# KiCad board Engine.kicad_pcb (continued)
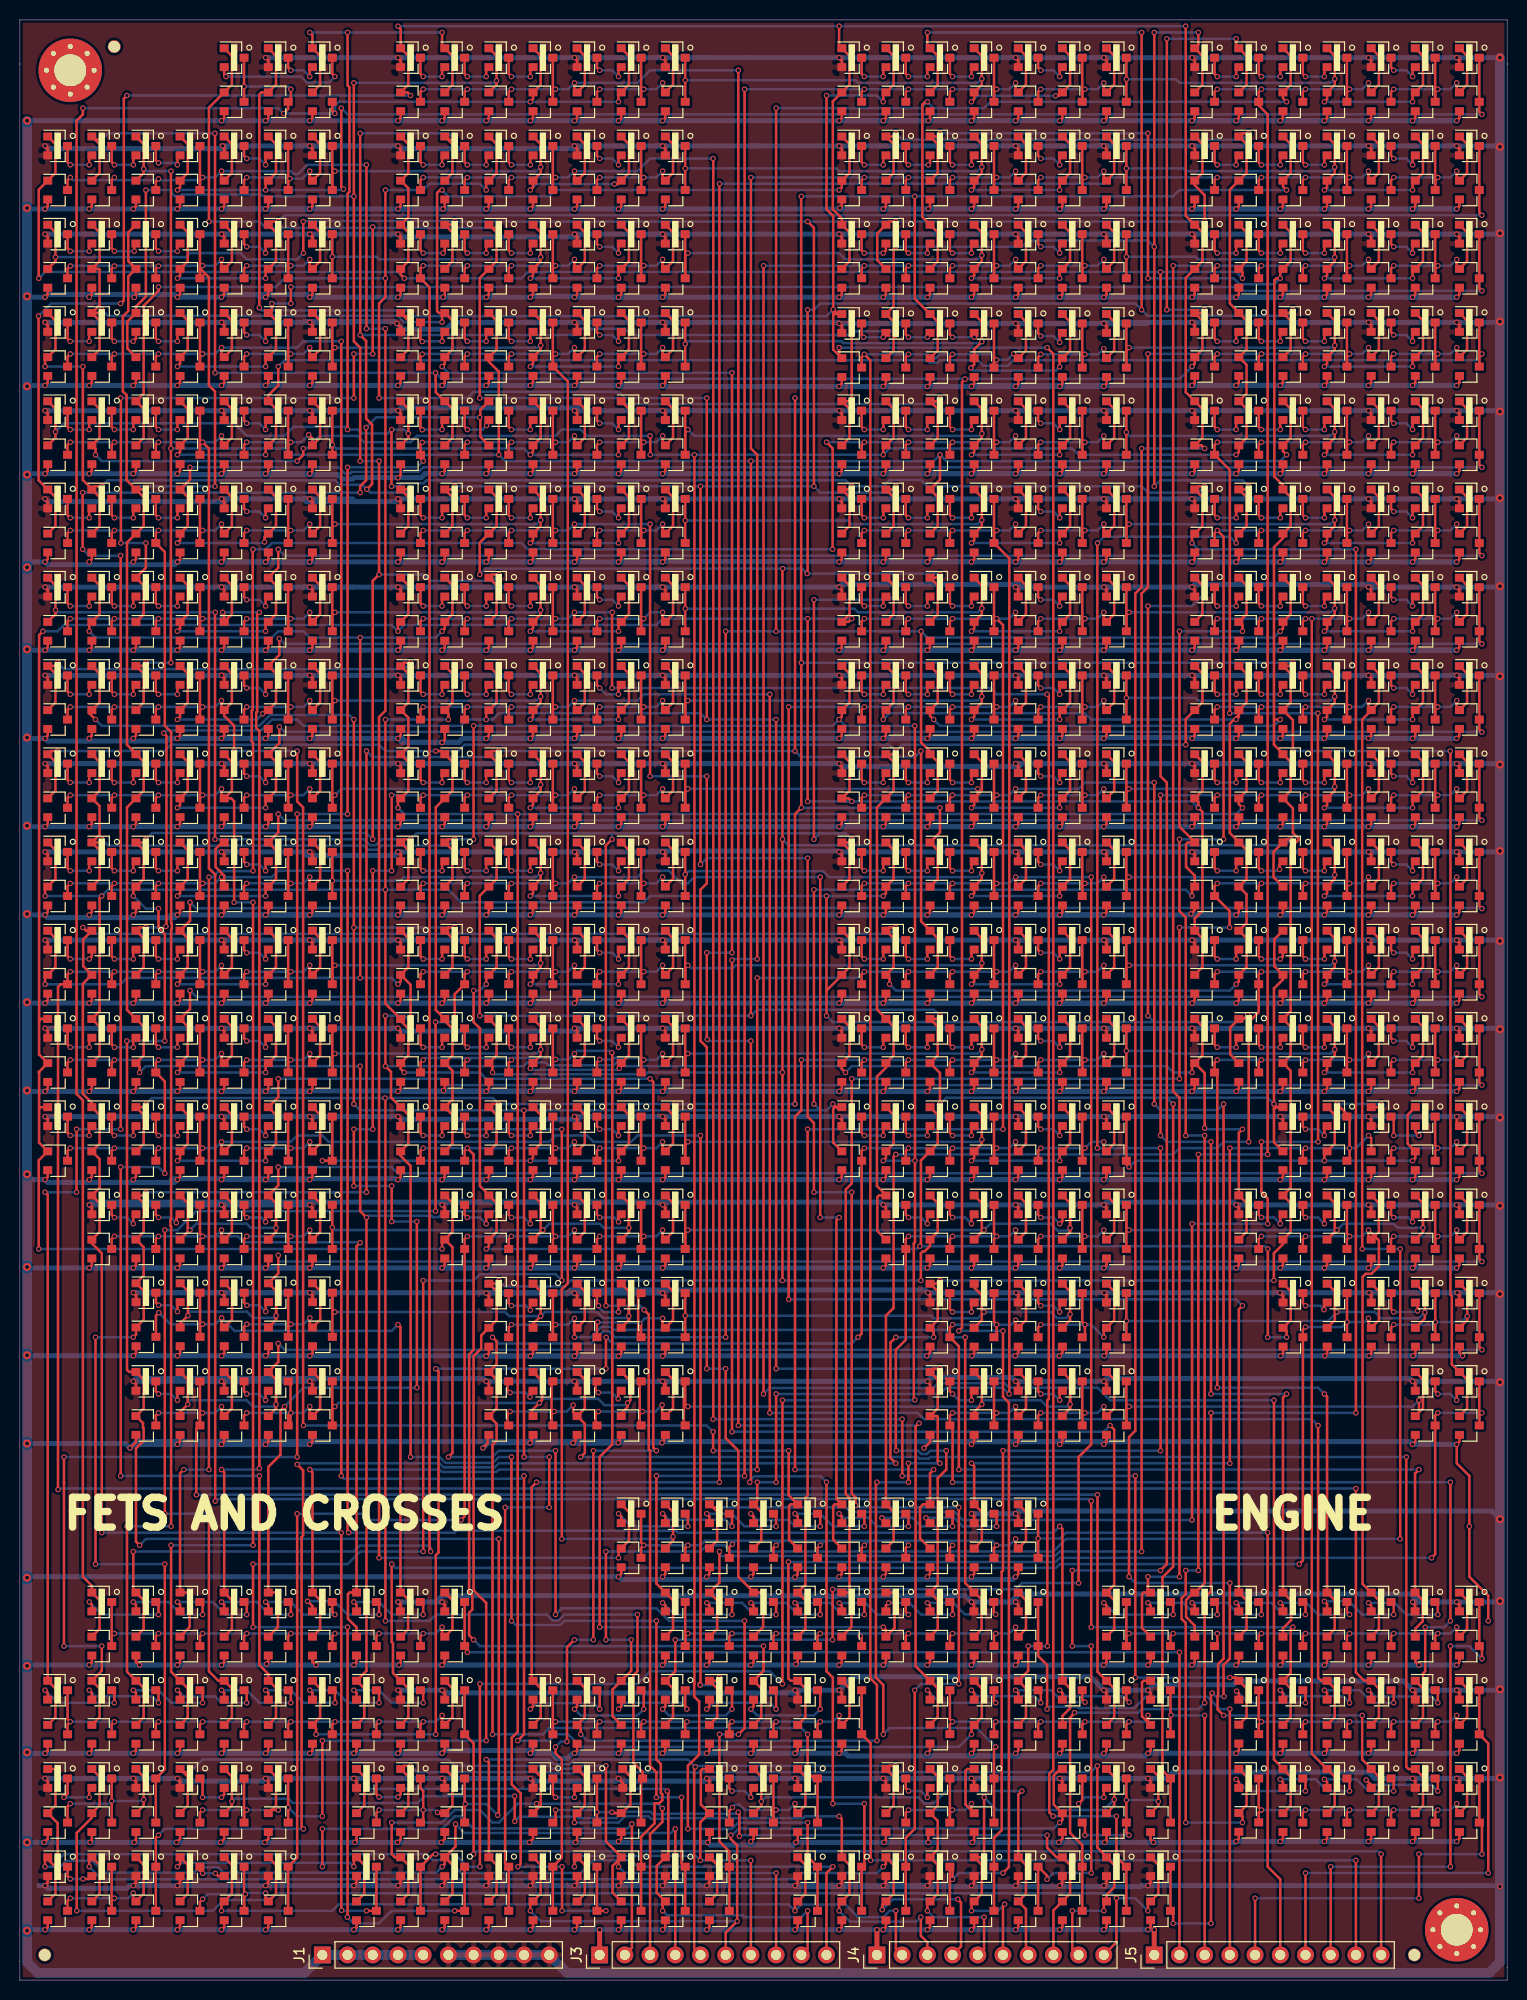
[diagram p0: board, top side]
## Routing (per net, layer and track width the routed paths; a pad name or vN(x,y) marks a point on that pad's centre or on a via; arc(x,y) is an arc through that point) (continued)
  Bottom w0.25: v1(5.08,146.05) v1(18.41,146.05) 19.68,146.05 v1(20.32,146.69) ; v1(15.24,45.72) v1(10.79,45.72)
/M8_E: length 137
  Top w0.25: 16.15,25.72 16.92,26.49 16.92,29.38 Q209.1 15.24,31.06 v1(15.24,43.81) ; Q738.3 Q740.3 18.14,119.11 v1(18.41,119.38) ; Q733.3 4.81,119.11 v1(5.08,119.38) ; Q734.3 9.26,119.11 v1(9.53,119.38) ; Q739.3 13.7,119.11 v1(13.97,119.38) ; Q743.1 20.32,119.33 v1(20.32,120.01) ; Q743.1 21.37,119.84 21.37,122.73 Q744.1 ; Q743.1 21.29,119.06 21.59,118.76 v1(21.59,108.58) ; v1(23.49,108.58) v1(23.49,43.81)
  Bottom w0.25: v1(5.08,119.38) v1(18.41,119.38) 19.68,119.38 v1(20.32,120.01) ; v1(21.59,108.58) v1(23.49,108.58) ; v1(23.49,43.81) v1(15.24,43.81)
/M8_F: length 140.8
  Top w0.25: 20.59,25.72 21.37,26.49 21.37,29.38 Q208.1 20,30.16 19.05,31.11 v1(19.05,46.99) ; Q570.3 Q572.3 53.7,101.33 v1(53.98,101.6) ; Q565.3 40.37,101.33 v1(40.64,101.6) ; v1(45.09,101.6) 44.81,101.33 Q566.3 43.81,99.33 v1(43.81,96.52) ; Q571.3 49.26,101.33 v1(49.53,101.6) ; v1(55.88,102.23) 55.88,101.55 Q575.1 56.93,102.06 56.93,104.95 Q576.1 ; v1(41.89,96.52) v1(41.89,77.47) ; v1(14.6,75.56) v1(14.6,46.99)
  Bottom w0.25: v1(40.64,101.6) v1(53.98,101.6) 55.24,101.6 v1(55.88,102.23) ; v1(41.89,96.52) v1(43.81,96.52) ; v1(14.6,75.56) 15.87,75.56 17.78,77.47 v1(41.89,77.47) ; v1(19.05,46.99) v1(14.6,46.99)
/M8_G: length 118.1
  Top w0.25: 25.03,25.72 25.81,26.49 25.81,29.43 25.09,30.16 Q207.1 25.03,30.84 24.13,31.75 v1(24.13,50.8) ; Q444.3 Q446.3 18.14,92.44 v1(18.41,92.71) ; Q439.3 4.81,92.44 v1(5.08,92.71) ; Q440.3 9.26,92.44 v1(9.53,92.71) ; v1(13.97,92.71) 13.7,92.44 Q445.3 14.6,90.53 v1(14.6,81.28) ; v1(20.32,93.34) 20.32,92.66 Q449.1 21.37,93.17 21.37,96.06 Q450.1 ; v1(10.16,50.8) v1(10.16,81.91)
  Bottom w0.25: v1(5.08,92.71) v1(18.41,92.71) 19.68,92.71 v1(20.32,93.34) ; v1(14.6,81.28) 13.97,81.91 v1(10.16,81.91) ; v1(24.13,50.8) v1(10.16,50.8)
/M8_I: length 151.1
  Top w0.25: Q203.1 30.26,29.38 30.26,26.49 29.48,25.72 29.84,25.35 v1(29.84,24.76) ; Q392.3 Q394.3 98.16,83.55 v1(98.43,83.82) ; v1(85.09,83.82) 84.82,83.55 Q387.3 84.82,65.13 v1(84.45,64.77) ; Q388.3 89.27,83.55 v1(89.54,83.82) ; Q393.3 93.71,83.55 v1(93.98,83.82) ; v1(100.33,84.45) 100.33,83.77 Q397.1 101.38,84.28 101.38,87.17 Q398.1 ; v1(41.91,61.59) 42.18,61.32 42.18,43.09 41.91,42.81 v1(41.91,24.76) ; v1(59.08,64.76) 59.05,64.74 v1(59.05,61.59)
  Bottom w0.25: v1(85.09,83.82) v1(98.43,83.82) 99.7,83.82 v1(100.33,84.45) ; v1(59.05,61.59) v1(41.91,61.59) ; v1(41.91,24.76) v1(29.84,24.76) ; v1(59.08,64.76) 59.7,64.13 83.82,64.13 v1(84.45,64.77)
/M8_K: length 83.3
  Top w0.25: Q264.1 56.93,78.28 56.93,75.39 Q263.1 55.88,74.88 v1(55.88,75.56) ; 33.92,25.72 34.7,26.49 34.7,29.38 Q202.1 34.92,31.16 v1(34.92,46.35) ; v1(49.53,74.93) 49.26,74.66 Q268.3 ; v1(45.09,74.93) 44.81,74.66 Q267.3 44.81,46.72 v1(44.45,46.35) ; Q271.3 53.7,75.2 v1(53.98,74.93) 53.7,74.66 Q272.3
  Bottom w0.25: v1(44.45,46.35) v1(34.92,46.35) ; v1(45.09,74.93) v1(53.98,74.93) 55.24,74.93 v1(55.88,75.56)
/M8_L: length 150.4
  Top w0.25: 38.37,25.72 39.15,26.49 39.15,29.38 Q201.1 37.59,30.94 37.59,33.94 37.46,34.07 v1(37.46,41.91) ; Q318.1 136.95,69.39 136.95,66.5 Q317.1 135.89,66 v1(135.89,66.67) ; Q324.3 v1(133.73,66.3) Q323.3 ; v1(129.54,65.8) 129.28,65.54 Q321.3 129.28,42.29 v1(128.91,41.91)
  Bottom w0.25: v1(135.89,66.67) 135.51,66.3 v1(133.73,66.3) 133.23,65.8 v1(129.54,65.8) ; v1(37.46,41.91) 37.85,41.53 104.4,41.53 104.78,41.91 v1(128.91,41.91)
/sheet60D7BB73/sheet60D63D17/A: length 37
  Top w0.25: Q194.3 93.71,26.3 v1(93.98,26.03) 93.71,25.76 Q196.3 ; Q190.3 111.49,25.76 v1(111.76,26.03) ; Q187.3 102.6,25.76 v1(102.87,26.03) ; Q195.3 107.05,25.76 v1(107.32,26.03) ; v1(113.67,26.67) 113.67,25.98 113.94,25.72 113.06,26.59 113.06,29.99 113.23,30.16 Q197.1 ; Q191.3 98.16,25.86 v1(98.33,26.03)
  Bottom w0.25: v1(93.98,26.03) v1(102.87,26.03) v1(111.76,26.03) 113.42,26.03 113.67,26.28 v1(113.67,26.67)
/Sheet60D62401/sheet60D63D17/A: length 54.9
  Top w0.25: Q235.1 43.59,38.27 43.59,35.38 Q236.1 42.54,34.88 v1(42.54,35.56) ; v1(9.53,34.92) 9.26,34.66 Q234.3 Q231.3 ; v1(13.97,34.92) 13.7,34.66 Q228.3 ; v1(18.41,34.92) 18.14,34.66 Q222.3 ; v1(22.86,34.92) 22.59,34.66 Q233.3 ; v1(27.3,34.92) 27.03,34.66 Q227.3 ; v1(31.75,34.92) 31.48,34.66 Q221.3 ; v1(36.2,34.92) 35.92,34.66 Q232.3 ; v1(40.64,34.92) 40.37,34.66 Q226.3
  Bottom w0.25: v1(9.53,34.92) v1(40.64,34.92) 41.91,34.92 v1(42.54,35.56)
/sheet60D69699/sheet60D63D17/A: length 59.6
  Top w0.25: Q199.1 43.59,29.38 43.59,26.49 42.81,25.72 42.54,25.98 v1(42.54,26.67) ; Q218.3 4.81,25.76 v1(5.08,26.03) 4.81,26.3 Q215.3 ; v1(9.53,26.03) 9.26,25.76 Q212.3 ; v1(13.97,26.03) 13.7,25.76 Q206.3 ; v1(18.41,26.03) 18.14,25.76 Q217.3 ; v1(22.86,26.03) 22.59,25.76 Q211.3 ; v1(27.3,26.03) 27.03,25.76 Q205.3 ; v1(31.75,26.03) 31.48,25.76 Q216.3 ; v1(36.2,26.03) 35.92,25.76 Q210.3 ; v1(40.64,26.03) 40.37,25.76 Q204.3
  Bottom w0.25: v1(5.08,26.03) v1(40.64,26.03) 41.91,26.03 v1(42.54,26.67)
/sheet60D98711/sheet60D63D17/A: length 49.1
  Top w0.25: Q185.1 83.6,29.38 83.6,26.49 82.82,25.72 82.55,25.98 v1(82.55,26.67) ; Q182.3 80.38,25.76 v1(80.65,26.03) ; Q181.3 Q184.3 53.7,25.76 v1(53.98,26.03) ; v1(67.21,26.03) 67.04,25.86 Q183.3 ; Q173.3 62.59,25.76 v1(62.87,26.03) ; Q172.3 75.93,25.76 v1(76.2,26.03) ; v1(71.76,26.03) 71.48,25.76 Q177.3 ; v1(58.42,26.03) 58.15,25.76 Q178.3
  Bottom w0.25: v1(53.98,26.03) v1(58.42,26.03) v1(76.2,26.03) v1(80.65,26.03) 81.92,26.03 v1(82.55,26.67)
/sheet60DD6E3C/sheet60D63D17/A: length 54.9
  Top w0.25: Q169.1 101.38,38.27 101.38,35.38 Q170.1 100.33,34.88 v1(100.33,35.56) ; Q162.3 71.48,34.66 v1(71.76,34.92) ; Q167.3 80.38,34.66 v1(80.65,34.92) ; Q155.3 89.27,34.66 v1(89.54,34.92) ; v1(67.31,34.92) 67.04,34.66 Q168.3 Q165.3 ; Q161.3 84.82,34.52 v1(84.68,34.66) ; v1(76.2,34.92) 75.93,34.66 Q156.3 ; Q166.3 93.71,34.66 v1(93.98,34.92) ; Q160.3 98.16,34.75 v1(98.33,34.92)
  Bottom w0.25: 84.45,34.92 84.45,34.89 v1(84.68,34.66) ; 84.45,34.92 v1(67.31,34.92) ; 84.45,34.92 v1(98.33,34.92) 99.7,34.92 v1(100.33,35.56)
/sheet60DF89F7/sheet60D63D17/A: length 36.3
  Top w0.25: Q151.1 145.83,20.49 145.83,17.6 Q152.1 144.78,17.09 v1(144.78,17.78) ; Q150.3 124.83,16.88 v1(125.1,17.14) 124.83,17.41 Q148.3 ; v1(142.88,17.14) 142.6,16.88 Q144.3 ; v1(138.43,17.14) 138.16,16.88 Q149.3 ; v1(133.98,17.14) 133.72,16.88 Q141.3 ; v1(129.54,17.14) 129.27,16.88 Q145.3
  Bottom w0.25: v1(125.1,17.14) v1(133.98,17.14) v1(142.88,17.14) 144.14,17.14 v1(144.78,17.78)
/sheet60E0A4D6/sheet60D63D17/A: length 64.6
  Top w0.25: Q121.1 101.38,47.16 101.38,44.27 100.6,43.5 100.33,43.76 v1(100.33,44.45) ; v1(85.09,43.81) 84.82,43.54 Q127.3 ; v1(98.43,43.81) 98.16,43.54 Q126.3 ; v1(89.54,43.81) 89.27,43.54 Q138.3 ; v1(80.65,43.81) 80.38,43.54 Q133.3 ; Q128.3 71.48,43.62 v1(71.79,43.92) ; Q132.3 93.71,43.54 v1(93.98,43.81) ; Q140.3 62.59,43.54 v1(62.87,43.81) 62.59,44.08 Q137.3 ; v1(76.2,43.81) 75.93,43.54 Q139.3 ; v1(67.31,43.81) 67.04,43.54 Q134.3
  Bottom w0.25: 93.8,44.27 97.97,44.27 v1(98.43,43.81) 99.7,43.81 v1(100.33,44.45) ; 93.8,44.27 93.8,44 v1(93.98,43.81) ; 93.8,44.27 89.35,44.27 ; 81.1,44.27 77.02,44.27 ; 81.1,44.27 85.54,44.27 ; 81.1,44.27 v1(80.65,43.81) ; 77.02,44.27 76.65,44.27 v1(76.2,43.81) ; 77.02,44.27 72.84,44.27 ; 72.84,44.27 72.13,44.27 v1(71.79,43.92) ; 72.84,44.27 69.03,44.27 68.58,43.81 v1(62.87,43.81) ; v1(89.54,43.81) 89.35,44 89.35,44.27 ; 85.54,44.27 v1(85.09,43.81) ; 85.54,44.27 89.35,44.27
/sheet60E1B2DC/sheet60D63D17/A: length 36.3
  Top w0.25: v1(144.78,26.67) 144.78,25.98 145.05,25.72 145.83,26.49 145.83,29.38 Q101.1 ; Q98.3 124.83,26.3 v1(125.1,26.03) 124.83,25.76 Q100.3 ; v1(129.54,26.03) 129.27,25.76 Q95.3 ; Q91.3 133.72,25.76 v1(133.98,26.03) ; Q99.3 138.16,25.76 v1(138.43,26.03) ; Q94.3 142.6,25.76 v1(142.88,26.03)
  Bottom w0.25: v1(144.78,26.67) 144.14,26.03 v1(142.88,26.03) v1(133.98,26.03) v1(125.1,26.03)
/sheet60E2C560/sheet60D63D17/A: length 54.9
  Top w0.25: Q119.1 145.83,38.27 145.83,35.38 Q120.1 144.78,34.88 v1(144.78,35.56) ; v1(111.76,34.92) 111.49,34.66 Q118.3 Q115.3 ; v1(116.2,34.92) 115.94,34.66 Q112.3 ; v1(125.1,34.92) 124.83,34.66 Q117.3 ; v1(129.54,34.92) 129.27,34.66 Q111.3 ; v1(133.98,34.92) 133.72,34.66 Q105.3 ; v1(138.43,34.92) 138.16,34.66 Q116.3 ; v1(142.88,34.92) 142.6,34.66 Q110.3 ; v1(120.65,34.92) 120.65,33.92 Q106.3
  Bottom w0.25: v1(111.76,34.92) v1(142.88,34.92) 144.14,34.92 v1(144.78,35.56)
/sheet604A8195/Block: length 48.2
  Top w0.25: Q612.1 52.48,122.73 v1(52.48,120.43) 52.48,119.84 Q614.1 51.7,118.38 v1(51.43,118.11) ; Q619.1 61.37,122.73 61.37,119.84 Q620.1 60.32,118.79 v1(60.32,118.11) ; Q741.3 Q742.3 31.48,119.11 v1(31.75,119.38)
  Bottom w0.25: v1(51.43,118.11) v1(60.32,118.11) ; v1(31.75,119.38) 32.38,120.01 52.07,120.01 v1(52.48,120.43)
/sheet604A8195/sheet6057F84C/Block: length 58
  Top w0.25: Q500.1 96.93,122.73 96.93,119.84 Q502.1 ; Q502.1 96.16,118.38 v1(95.89,118.11) ; Q502.1 96.52,119.42 v1(96.52,120.01) ; Q507.1 105.82,122.73 105.82,119.84 Q508.1 104.78,118.79 v1(104.78,118.11) ; Q615.3 Q616.3 67.04,119.74 v1(67.31,120.01)
  Bottom w0.25: v1(95.89,118.11) v1(104.78,118.11) ; v1(67.31,120.01) v1(96.52,120.01)
/sheet604A8195/sheet6057F84C/sheet6054A98B/sheet5E562435/A: length 20
  Top w0.25: Q503.1 110.27,122.73 110.27,119.84 Q504.1 109.22,119.33 v1(109.22,120.01) ; Q507.3 Q508.3 107.05,119.11 v1(107.32,119.38) ; v1(102.87,119.38) 102.6,119.11 Q505.3
  Bottom w0.25: v1(102.87,119.38) v1(107.32,119.38) 108.59,119.38 v1(109.22,120.01)
/sheet604A8195/sheet6057F84E/Block: length 48.5
  Top w0.25: Q503.3 Q504.3 111.49,119.74 v1(111.76,120.01) ; Q514.1 132.49,122.73 v1(132.49,120.24) 132.49,119.84 Q516.1 131.72,118.38 v1(131.44,118.11) ; Q521.1 141.38,122.73 141.38,119.84 Q522.1 140.33,118.79 v1(140.33,118.11)
  Bottom w0.25: v1(131.44,118.11) v1(140.33,118.11) ; v1(111.76,120.01) 132.27,120.01 v1(132.49,120.24)
/sheet604A8195/sheet6057F84E/sheet6054A98B/sheet5E562435/A: length 20
  Top w0.25: Q517.1 145.83,122.73 145.83,119.84 Q518.1 144.78,119.33 v1(144.78,120.01) ; Q521.3 Q522.3 142.6,119.11 v1(142.88,119.38) ; v1(138.43,119.38) 138.16,119.11 Q519.3
  Bottom w0.25: v1(138.43,119.38) v1(142.88,119.38) 144.14,119.38 v1(144.78,120.01)
/sheet604A8195/sheet6057F84F/Block: length 47
  Top w0.25: Q528.1 52.48,113.84 v1(52.48,111.54) 52.48,110.95 Q530.1 51.7,109.49 v1(51.43,109.22) ; Q535.1 61.37,113.84 61.37,110.95 Q536.1 60.32,109.9 v1(60.32,109.22) ; Q587.3 v1(31.48,110.76) Q588.3
  Bottom w0.25: v1(51.43,109.22) v1(60.32,109.22) ; v1(31.48,110.76) 38.37,110.76 38.73,111.12 52.07,111.12 v1(52.48,111.54)
/sheet604A8195/sheet6057F84F/sheet6054A98B/sheet5E562435/A: length 20
  Top w0.25: Q531.1 65.82,113.84 65.82,110.95 Q532.1 64.77,110.44 v1(64.77,111.12) ; Q535.3 Q536.3 62.59,110.22 v1(62.87,110.49) ; v1(58.42,110.49) 58.15,110.22 Q533.3
  Bottom w0.25: v1(58.42,110.49) v1(62.87,110.49) 64.14,110.49 v1(64.77,111.12)
/sheet604A8195/sheet6057F850/Block: length 56.1
  Top w0.25: Q542.1 96.93,113.84 v1(96.93,111.54) 96.93,110.95 Q544.1 96.16,109.49 v1(95.89,109.22) ; Q549.1 105.82,113.84 105.82,110.95 Q550.1 104.78,109.9 v1(104.78,109.22) ; Q532.3 v1(67.04,111.39) Q531.3
  Bottom w0.25: v1(95.89,109.22) v1(104.78,109.22) ; v1(96.93,111.54) 96.52,111.12 81.53,111.12 80.93,111.73 67.37,111.73 v1(67.04,111.39)
/sheet604A8195/sheet6057F850/sheet6054A98B/sheet5E562435/A: length 20
  Top w0.25: Q545.1 110.27,113.84 110.27,110.95 Q546.1 109.22,110.44 v1(109.22,111.12) ; Q549.3 Q550.3 107.05,110.22 v1(107.32,110.49) ; v1(102.87,110.49) 102.6,110.22 Q547.3
  Bottom w0.25: v1(102.87,110.49) v1(107.32,110.49) 108.59,110.49 v1(109.22,111.12)
/sheet604A8195/sheet6057F851/Block: length 160.8
  Top w0.25: Q563.1 25.81,104.95 25.81,102.06 Q564.1 24.77,101.01 v1(24.77,100.33) ; v1(15.87,100.33) 16.15,100.6 Q558.1 16.92,102.06 16.92,104.95 Q556.1 17.14,106.72 v1(17.14,108.58) ; Q601.3 Q602.3 147.05,108.22 v1(147.32,107.95)
  Bottom w0.25: v1(15.87,100.33) v1(24.77,100.33) ; v1(147.32,107.95) 147.25,108.02 23.82,108.02 23.78,107.98 17.75,107.98 v1(17.14,108.58)
/sheet604A8195/sheet6057F851/sheet6054A98B/sheet5E562435/A: length 20
  Top w0.25: Q559.1 30.26,104.95 30.26,102.06 Q560.1 29.21,101.55 v1(29.21,102.23) ; Q563.3 Q564.3 27.03,101.33 v1(27.3,101.6) ; v1(22.86,101.6) 22.59,101.33 Q561.3
  Bottom w0.25: v1(22.86,101.6) v1(27.3,101.6) 28.57,101.6 v1(29.21,102.23)
/sheet604A8195/sheet6057F852/Block: length 48.5
  Top w0.25: Q559.3 Q560.3 31.48,101.96 v1(31.75,102.23) ; Q570.1 52.48,104.95 v1(52.48,102.46) 52.48,102.06 Q572.1 51.7,100.6 v1(51.43,100.33) ; Q577.1 61.37,104.95 61.37,102.06 Q578.1 60.32,101.01 v1(60.32,100.33)
  Bottom w0.25: v1(51.43,100.33) v1(60.32,100.33) ; v1(31.75,102.23) 52.26,102.23 v1(52.48,102.46)
/sheet604A8195/sheet6057F852/sheet6054A98B/sheet5E562435/A: length 20
  Top w0.25: Q573.1 65.82,104.95 65.82,102.06 Q574.1 64.77,101.55 v1(64.77,102.23) ; Q577.3 Q578.3 62.59,101.33 v1(62.87,101.6) ; v1(58.42,101.6) 58.15,101.33 Q575.3
  Bottom w0.25: v1(58.42,101.6) v1(62.87,101.6) 64.14,101.6 v1(64.77,102.23)
/sheet604A8195/sheet6057F853/Block: length 151.8
  Top w0.25: Q517.3 Q518.3 147.05,117.11 v1(147.32,116.84) ; Q584.1 16.92,113.84 16.92,110.95 Q586.1 16.15,109.49 v1(15.87,109.22) ; v1(24.77,109.22) 24.77,109.9 Q592.1 25.81,110.95 25.81,113.84 Q591.1 26.03,115.61 v1(26.03,117.47)
  Bottom w0.25: v1(15.87,109.22) v1(24.77,109.22) ; v1(147.32,116.84) 26.67,116.84 v1(26.03,117.47)
/sheet604A8195/sheet6057F853/sheet6054A98B/sheet5E562435/A: length 20
  Top w0.25: Q587.1 30.26,113.84 30.26,110.95 Q588.1 29.21,110.44 v1(29.21,111.12) ; Q591.3 Q592.3 27.03,110.22 v1(27.3,110.49) ; v1(22.86,110.49) 22.59,110.22 Q589.3
  Bottom w0.25: v1(22.86,110.49) v1(27.3,110.49) 28.57,110.49 v1(29.21,111.12)
/sheet604A8195/sheet6057F854/Block: length 48.5
  Top w0.25: Q545.3 Q546.3 111.49,110.85 v1(111.76,111.12) ; Q598.1 132.49,113.84 v1(132.49,111.35) 132.49,110.95 Q600.1 131.72,109.49 v1(131.44,109.22) ; Q605.1 141.38,113.84 141.38,110.95 Q606.1 140.33,109.9 v1(140.33,109.22)
  Bottom w0.25: v1(131.44,109.22) v1(140.33,109.22) ; v1(132.49,111.35) 132.27,111.12 v1(111.76,111.12)
/sheet604A8195/sheet6057F854/sheet6054A98B/sheet5E562435/A: length 20
  Top w0.25: Q601.1 145.83,113.84 145.83,110.95 Q602.1 144.78,110.44 v1(144.78,111.12) ; Q605.3 Q606.3 142.6,110.22 v1(142.88,110.49) ; v1(138.43,110.49) 138.16,110.22 Q603.3
  Bottom w0.25: v1(138.43,110.49) v1(142.88,110.49) 144.14,110.49 v1(144.78,111.12)
/sheet604A8195/sheet605862BA/sheet6054A98B/sheet5E562435/A: length 20
  Top w0.25: Q615.1 65.82,122.73 65.82,119.84 Q616.1 64.77,119.33 v1(64.77,120.01) ; Q619.3 Q620.3 62.59,119.11 v1(62.87,119.38) ; v1(58.42,119.38) 58.15,119.11 Q617.3
  Bottom w0.25: v1(58.42,119.38) v1(62.87,119.38) 64.14,119.38 v1(64.77,120.01)
/sheet606A7B7E/Block: length 151.8
  Top w0.25: Q825.3 Q826.3 147.05,143.78 v1(147.32,143.51) ; 16.15,141.28 16.92,140.51 16.92,137.62 Q628.1 16.15,136.16 v1(15.87,135.89) ; v1(24.77,135.89) 24.77,136.57 Q634.1 25.81,137.62 25.81,140.51 25.03,141.28 26.03,142.28 v1(26.03,144.14)
  Bottom w0.25: v1(15.87,135.89) v1(24.77,135.89) ; v1(147.32,143.51) 26.67,143.51 v1(26.03,144.14)
/sheet606A7B7E/sheet606E673A/Block: length 48.5
  Top w0.25: Q629.3 Q630.3 31.48,137.52 v1(31.75,137.79) ; 51.7,141.28 52.48,140.51 v1(52.48,138.02) 52.48,137.62 Q642.1 51.7,136.16 v1(51.43,135.89) ; 60.59,141.28 61.37,140.51 61.37,137.62 Q648.1 60.32,136.57 v1(60.32,135.89)
  Bottom w0.25: v1(51.43,135.89) v1(60.32,135.89) ; v1(52.48,138.02) 52.26,137.79 v1(31.75,137.79)
/sheet606A7B7E/sheet606E673A/sheet6054A98B/sheet5E562435/A: length 20
  Top w0.25: 65.04,141.28 65.82,140.51 65.82,137.62 Q644.1 64.77,137.11 v1(64.77,137.79) ; Q647.3 Q648.3 62.59,136.89 v1(62.87,137.16) ; v1(58.42,137.16) 58.15,136.89 Q645.3
  Bottom w0.25: v1(58.42,137.16) v1(62.87,137.16) 63.5,137.79 v1(64.77,137.79)
/sheet606A7B7E/sheet606E673B/Block: length 55.8
  Top w0.25: 96.16,141.28 96.93,140.51 v1(96.93,138.21) 96.93,137.62 Q656.1 96.16,136.16 v1(95.89,135.89) ; 105.05,141.28 105.82,140.51 105.82,137.62 Q662.1 104.78,136.57 v1(104.78,135.89) ; Q644.3 v1(67.04,138.16) Q643.3
  Bottom w0.25: v1(95.89,135.89) v1(104.78,135.89) ; v1(96.93,138.21) 96.52,137.79 84.45,137.79 84.09,138.16 v1(67.04,138.16)
/sheet606A7B7E/sheet606E673B/sheet6054A98B/sheet5E562435/A: length 20
  Top w0.25: 109.49,141.28 110.27,140.51 110.27,137.62 Q658.1 109.22,137.11 v1(109.22,137.79) ; Q661.3 Q662.3 107.05,136.89 v1(107.32,137.16) ; v1(102.87,137.16) 102.6,136.89 Q659.3
  Bottom w0.25: v1(102.87,137.16) v1(107.32,137.16) 108.59,137.16 v1(109.22,137.79)
/sheet606A7B7E/sheet606E673C/Block: length 48.5
  Top w0.25: Q657.3 Q658.3 111.49,137.52 v1(111.76,137.79) ; 131.72,141.28 132.49,140.51 v1(132.49,138.21) 132.49,137.62 Q670.1 131.72,136.16 v1(131.44,135.89) ; 140.6,141.28 141.38,140.51 141.38,137.62 Q676.1 140.33,136.57 v1(140.33,135.89)
  Bottom w0.25: v1(131.44,135.89) v1(140.33,135.89) ; v1(111.76,137.79) 132.08,137.79 v1(132.49,138.21)
/sheet606A7B7E/sheet606E673C/sheet6054A98B/sheet5E562435/A: length 20
  Top w0.25: 145.05,141.28 145.83,140.51 145.83,137.62 Q672.1 144.78,137.11 v1(144.78,137.79) ; Q675.3 Q676.3 142.6,136.89 v1(142.88,137.16) ; v1(138.43,137.16) 138.16,136.89 Q673.3
  Bottom w0.25: v1(138.43,137.16) v1(142.88,137.16) 144.14,137.16 v1(144.78,137.79)
/sheet606A7B7E/sheet606E673D/Block: length 151.2
  Top w0.25: Q671.3 Q672.3 147.05,134.89 v1(147.32,134.62) ; Q682.1 16.92,131.62 16.92,128.73 Q684.1 16.15,127.27 v1(15.87,127) ; v1(24.47,127.58) 24.84,127.95 Q690.1 25.81,128.73 25.81,131.62 Q689.1 26.14,133.5 v1(26.14,135.15)
  Bottom w0.25: v1(24.47,127.58) 23.89,127 v1(15.87,127) ; v1(147.32,134.62) 26.67,134.62 v1(26.14,135.15)
/sheet606A7B7E/sheet606E673D/sheet6054A98B/sheet5E562435/A: length 20
  Top w0.25: Q685.1 30.26,131.62 30.26,128.73 Q686.1 29.21,128.22 v1(29.21,128.9) ; Q689.3 Q690.3 27.03,128 v1(27.3,128.27) ; v1(22.86,128.27) 22.59,128 Q687.3
  Bottom w0.25: v1(22.86,128.27) v1(27.3,128.27) 28.57,128.27 v1(29.21,128.9)
/sheet606A7B7E/sheet606E673E/Block: length 48.5
  Top w0.25: Q685.3 Q686.3 31.48,128.63 v1(31.75,128.9) ; Q696.1 52.48,131.62 v1(52.48,129.32) 52.48,128.73 Q698.1 51.7,127.27 v1(51.43,127) ; Q703.1 61.37,131.62 61.37,128.73 Q704.1 60.32,127.68 v1(60.32,127)
  Bottom w0.25: v1(51.43,127) v1(60.32,127) ; v1(31.75,128.9) 52.07,128.9 v1(52.48,129.32)
/sheet606A7B7E/sheet606E673E/sheet6054A98B/sheet5E562435/A: length 20
  Top w0.25: Q699.1 65.82,131.62 65.82,128.73 Q700.1 64.77,128.22 v1(64.77,128.9) ; Q703.3 Q704.3 62.59,128 v1(62.87,128.27) ; v1(58.42,128.27) 58.15,128 Q701.3
  Bottom w0.25: v1(58.42,128.27) v1(62.87,128.27) 64.14,128.27 v1(64.77,128.9)
/sheet606A7B7E/sheet606E6739/sheet6054A98B/sheet5E562435/A: length 20
  Top w0.25: 29.48,141.28 30.26,140.51 30.26,137.62 Q630.1 29.21,137.11 v1(29.21,137.79) ; Q633.3 Q634.3 27.03,136.89 v1(27.3,137.16) ; v1(22.86,137.16) 22.59,136.89 Q631.3
  Bottom w0.25: v1(22.86,137.16) v1(27.3,137.16) 28.57,137.16 v1(29.21,137.79)
/sheet606A7B7E/sheet606EA29D/Block: length 57.4
  Top w0.25: Q699.3 Q700.3 67.04,128.63 v1(67.31,128.9) ; Q710.1 96.93,131.62 v1(96.93,129.32) 96.93,128.73 Q712.1 96.16,127.27 v1(95.89,127) ; Q717.1 105.82,131.62 105.82,128.73 Q718.1 104.78,127.68 v1(104.78,127)
  Bottom w0.25: v1(95.89,127) v1(104.78,127) ; v1(67.31,128.9) 96.52,128.9 v1(96.93,129.32)
/sheet606A7B7E/sheet606EA29D/sheet6054A98B/sheet5E562435/A: length 20
  Top w0.25: Q713.1 110.27,131.62 110.27,128.73 Q714.1 109.22,128.22 v1(109.22,128.9) ; Q717.3 Q718.3 107.05,128 v1(107.32,128.27) ; v1(102.87,128.27) 102.6,128 Q715.3
  Bottom w0.25: v1(102.87,128.27) v1(107.32,128.27) 108.59,128.27 v1(109.22,128.9)
/sheet606A7B7E/sheet606EA29E/Block: length 46.9
  Top w0.25: Q724.1 132.49,131.62 v1(132.49,129.32) 132.49,128.73 Q726.1 131.72,127.27 v1(131.44,127) ; Q731.1 141.38,131.62 141.38,128.73 Q732.1 140.33,127.68 v1(140.33,127) ; Q713.3 v1(111.49,129.17) Q714.3
  Bottom w0.25: v1(131.44,127) v1(140.33,127) ; v1(111.49,129.17) 118.48,129.17 118.75,128.9 132.08,128.9 v1(132.49,129.32)
/sheet606A7B7E/sheet606EA29E/sheet6054A98B/sheet5E562435/A: length 20
  Top w0.25: Q727.1 145.83,131.62 145.83,128.73 Q728.1 144.78,128.22 v1(144.78,128.9) ; Q731.3 Q732.3 142.6,128 v1(142.88,128.27) ; v1(138.43,128.27) 138.16,128 Q729.3
  Bottom w0.25: v1(138.43,128.27) v1(142.88,128.27) 144.14,128.27 v1(144.78,128.9)
/sheet606A7B7E/sheet606EA29F/Block: length 151.6
  Top w0.25: Q727.3 Q728.3 147.05,126 v1(147.32,125.73) ; Q738.1 16.92,122.73 16.92,119.84 Q740.1 16.15,118.38 v1(15.87,118.11) ; v1(24.77,118.11) 24.77,118.79 Q746.1 25.81,119.84 25.81,122.73 Q745.1 26.14,124.61 v1(26.14,126.26)
  Bottom w0.25: v1(15.87,118.11) v1(24.77,118.11) ; v1(147.32,125.73) 147.29,125.76 26.64,125.76 v1(26.14,126.26)
/sheet606A7B7E/sheet606EA29F/sheet6054A98B/sheet5E562435/A: length 20
  Top w0.25: Q741.1 30.26,122.73 30.26,119.84 Q742.1 29.21,119.33 v1(29.21,120.01) ; Q745.3 Q746.3 27.03,119.11 v1(27.3,119.38) ; v1(22.86,119.38) 22.59,119.11 Q743.3
  Bottom w0.25: v1(22.86,119.38) v1(27.3,119.38) 28.57,119.38 v1(29.21,120.01)
/sheet607BECBB/Block: length 153.2
  Top w0.25: 25.81,60.5 25.81,57.61 ; 25.81,60.5 25.03,61.28 26.03,62.28 v1(26.03,64.13) ; 25.81,60.5 v1(25.81,58.01) 25.81,57.61 ; 25.81,57.61 Q330.1 ; 16.15,61.28 16.92,60.5 v1(16.92,58.01) 16.15,57.23 Q334.1 ; v1(147.32,63.5) 147.06,63.76 Q316.3 Q315.3
  Bottom w0.25: v1(16.92,58.01) 16.92,58.2 17.14,58.42 22.86,58.42 23.49,57.78 25.59,57.78 v1(25.81,58.01) ; v1(147.32,63.5) 26.67,63.5 v1(26.03,64.13)
/sheet607BECBB/sheet607A4A2C/Block: length 49.2
  Top w0.25: Q325.3 Q326.3 31.48,57.51 v1(31.75,57.78) ; 60.46,56.97 61.24,57.75 v1(61.24,58.15) 61.51,58.42 61.51,60.36 60.59,61.28 ; 60.46,61.41 61.24,60.64 ; 51.57,61.41 52.35,60.64 ; 51.57,56.97 51.57,57.37 v1(52.35,58.15) 52.62,58.42 52.62,60.36 51.7,61.28
  Bottom w0.25: v1(61.24,58.15) 61.01,57.92 58.92,57.92 58.29,58.56 52.57,58.56 52.35,58.33 v1(52.35,58.15) 32.11,58.15 v1(31.75,57.78)
/sheet607BECBB/sheet607A4A2C/sheet6054A98B/sheet5E562435/A: length 21.1
  Top w0.25: v1(58.29,57.29) 58.02,57.02 58.02,56.02 ; 65.68,60.64 64.91,61.41 ; 62.46,60.46 62.46,56.02 62.46,57.02 v1(62.73,57.29) ; 65.04,61.28 65.82,60.5 65.82,57.61 Q346.1 ; v1(64.71,57.95) 64.71,57.16 64.91,56.97
  Bottom w0.25: v1(58.29,57.29) v1(62.73,57.29) 64.06,57.29 v1(64.71,57.95)
/sheet607BECBB/sheet607A6A47/Block: length 59.4
  Top w0.25: 105.82,60.5 105.82,57.61 ; 105.82,60.5 105.05,61.28 ; 105.82,60.5 v1(105.82,58.01) 105.82,57.61 ; 105.82,57.61 Q340.1 ; 96.16,61.28 96.93,60.5 v1(96.93,58.01) 96.16,57.23 Q344.1 ; 66.91,60.46 66.91,56.02 ; v1(67.31,57.78) 67.04,58.05 Q345.3
  Bottom w0.25: v1(105.82,58.01) 105.6,57.78 103.51,57.78 102.87,58.42 97.16,58.42 96.93,58.2 v1(96.93,58.01) 96.71,57.78 v1(67.31,57.78)
/sheet607BECBB/sheet607A6A47/sheet6054A98B/sheet5E562435/A: length 20
  Top w0.25: 109.49,61.28 110.27,60.5 110.27,57.61 Q336.1 109.22,57.1 v1(109.22,57.78) ; Q337.3 102.6,56.88 v1(102.87,57.15) ; v1(107.32,57.15) 107.05,56.88 Q340.3 Q339.3
  Bottom w0.25: v1(109.22,57.78) 108.59,57.15 v1(107.32,57.15) v1(102.87,57.15)
/sheet607BECBB/sheet607A3999/sheet6054A98B/sheet5E562435/A: length 20.2
  Top w0.25: 29.48,61.28 30.26,60.5 30.26,57.61 Q326.1 29.21,57.1 v1(29.21,57.78) ; Q327.3 22.59,56.88 v1(22.86,57.15) ; v1(27.3,57.15) 27.03,56.88 Q330.3 27.27,56.12 27.27,60.09 Q329.3
  Bottom w0.25: v1(29.21,57.78) 28.57,57.15 v1(27.3,57.15) v1(22.86,57.15)
/sheet607BECBB/sheet6087B8C1/A: length 42.8
  Top w0.25: 140.6,61.28 141.38,60.5 141.38,57.61 Q355.1 140.97,57.19 v1(140.97,58.42) ; Q335.3 Q336.3 111.49,57.51 v1(111.76,57.78)
  Bottom w0.25: v1(140.97,58.42) 140.33,57.78 v1(111.76,57.78)
/Sheet6047D39E/OUT0: length 398.3
  Top w0.25: Q2.3 Q1.3 71.48,12.97 70.48,13.97 v1(70.48,24.76) ; Q497.1 83.6,122.73 83.6,119.84 Q495.1 83.51,119.06 v1(83.82,118.74) ; Q511.1 119.16,122.73 119.16,119.84 Q509.1 118.75,118.69 v1(118.75,118.11) 119.16,117.7 119.16,107.73 118.38,106.95 Q427.1 119.16,104.95 119.16,102.06 Q425.1 ; 38.37,141.28 39.15,140.51 39.15,137.62 Q635.1 38.1,136.57 v1(38.1,135.89) ; 82.82,141.28 83.6,140.51 83.6,137.62 Q649.1 83.5,136.84 v1(83.82,137.16) ; v1(2.32,135.89) 1.94,135.51 1.94,96.55 ; Q269.1 43.59,78.28 43.59,75.39 Q267.1 ; v1(42.54,73.66) 42.54,74.34 Q267.1 ; v1(79.38,118.74) v1(79.38,137.16) ; 1.94,96.55 1.94,93.26 Q439.1 1.9,91.48 1.94,91.45 1.94,87.77 ; 1.94,96.55 1.94,96.66 2.11,96.83 Q441.1 ; v1(53.98,36.83) v1(53.98,53.34) ; v1(43.18,52.7) 43.59,53.12 43.59,73.83 Q267.1 ; Q361.1 2.11,87.94 1.94,87.77 ; 1.94,87.77 1.94,84.37 Q359.1 1.9,82.59 v1(1.9,73.66) ; v1(72.41,24.76) 73.03,25.38 v1(73.03,36.19) 73.05,36.17
  Bottom w0.25: v1(83.82,137.16) 64.77,137.16 64.14,136.52 38.73,136.52 v1(38.1,135.89) 37.46,136.52 4.44,136.52 3.81,135.89 v1(2.32,135.89) ; v1(43.18,52.7) 47.62,52.7 48.26,53.34 v1(53.98,53.34) ; v1(53.98,36.83) 54.61,37.47 64.14,37.47 65.41,36.19 v1(73.03,36.19) ; v1(1.9,73.66) v1(42.54,73.66) ; v1(118.75,118.11) 118.11,118.74 83.19,118.74 ; 83.19,118.74 v1(79.38,118.74) ; 83.19,118.74 v1(83.82,118.74) ; v1(70.48,24.76) v1(72.41,24.76)
